# KiCad board cell-sim.kicad_pcb (continued)
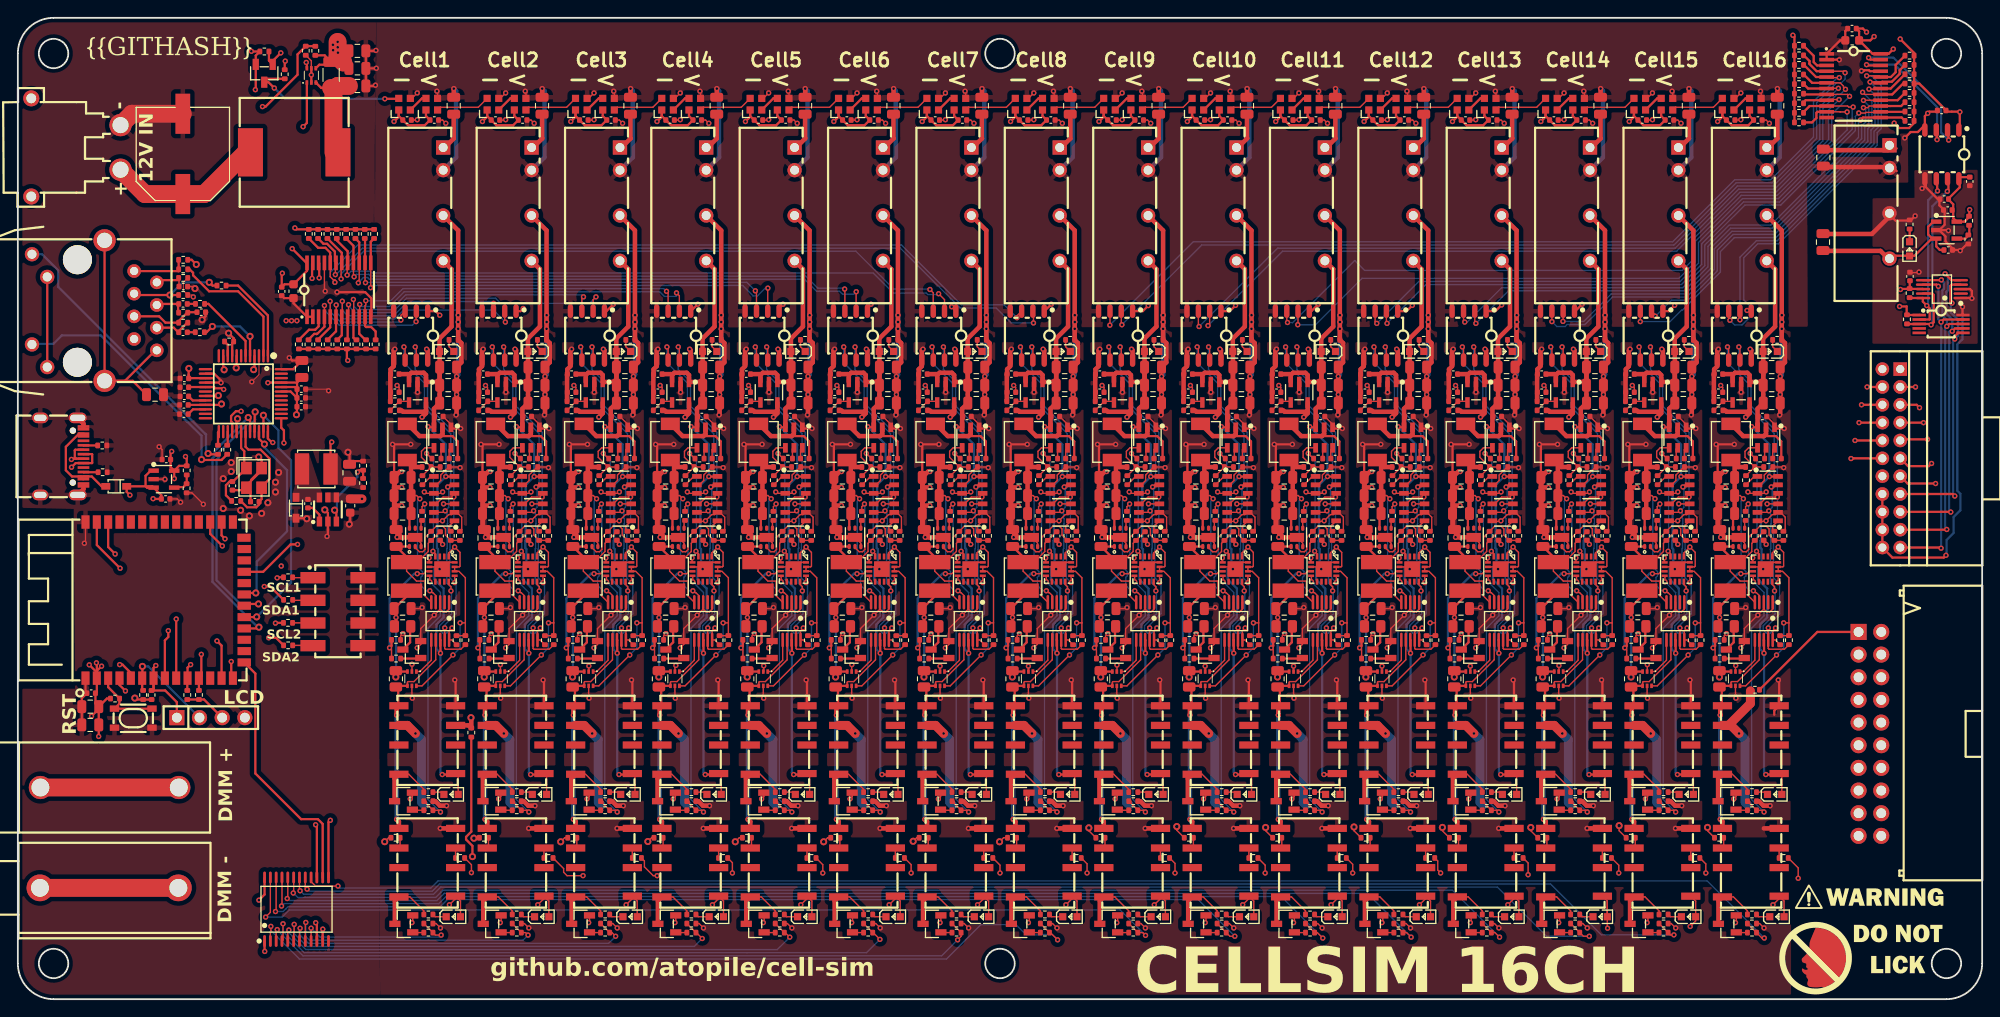
[diagram p0: board, top side]
## Nets (continued)
cell13.dmm_relay-gnd: R393.1 U198.3
cell13.dmm_relay-vcc: R392.1 U198.6
cell13.dmm_relay.fet-gate: Q38.1 R383.2
cell13.dmm_relay.indicator_led.resistor-cathode: LED40.1 R382.1
cell13.dmm_relay.relay-gnd: Q38.3 R382.2 U198.8
cell13.gpio-int: U199.11
cell13.gpio-p0: U199.2
cell13.gpio-p1: U199.3
cell13.gpio-p4: R385.1 R386.1 U199.7
cell13.gpio-p6: U199.9
cell13.gpio-p7: U199.10
cell13.internal_ldo.feedback_div-out: R390.2 R391.1 U203.4
cell13.isolated_converter.led.resistor-cathode: LED38.1 R369.1
cell13.ldo.ctrl_resistor-fb: R374.2 R375.2 R376.1 U195.2
cell13.ldo.dac-vout: R374.1 U194.1
cell13.ldo.regulator-dnc: U195.5
cell13.ldo.regulator-en: R377.2 U195.4
cell13.load_switch.fet-gate: Q39.1 R385.2
cell13.load_switch.fet-n: Q39.3 R387.2
cell13.output_relay.fet-gate: Q37.1 R380.2
cell13.output_relay.indicator_led.resistor-cathode: LED39.1 R379.1
cell13.output_relay.relay-gnd: Q37.3 R379.2 U197.8
cell13.voltage_led.ic-vcc: U201.4 U202.2
CELL13_3V3_VCC: C248.1 R388.2 R389.2 R390.1 U192.3 U194.3 U196.6 U199.1 U199.14 U199.15 U200.8 U203.5
CELL13_5V_VCC: C234.1 C235.1 C236.1 C237.1 C247.1 LED38.2 LED39.2 U190.6 U191.8 U192.6 U193.3 U197.1 U203.1 U203.3
CELL13_BUCK_ENABLE: R373.1 U199.4
CELL13_BUCK_POWER_OUT_VCC: C238.1 C239.1 C240.1 L27.2 R371.1 U191.4 U195.6
CELL13_CURRENT_SENSE_OUTPUT: U191.6 U196.1
CELL13_CURRENT_SENSE_POWER_OUT_VCC: R378.2 U191.7 U196.4 U197.5 U198.5
CELL13_DMM_RELAY_CONTROL: R383.1 R384.1 U16.19
CELL13_FILTER_POWER_OUT_VCC: C244.1 C250.2 C251.2 C252.2 C253.2 C254.2 C255.2 C256.2 C258.2 C259.2 C260.2 C263.2 C264.2 L28.2 Q40.2 Q42.2 R378.1 R387.1 R394.2 R397.2 R401.2 R406.2 R411.2 R416.2 U196.3 U204.4 U205.1 U205.3 U206.2 U207.1 U208.2 U208.6 U209.3 U209.7 U210.2 U210.5 U211.4 U212.4 U213.6 U213.16 U213.17 U214.5 U217.2
CELL13_I2C_SCL: R389.1 U191.10 U192.5 U194.5 U199.12 U200.6
CELL13_I2C_SDA: R388.1 U191.9 U192.4 U194.4 U199.13 U200.7
CELL13_LDO_ENABLE: R377.1 U199.5
CELL13_LDO_POWER_OUT_VCC: C242.1 C243.1 L28.1 R375.1 U191.5 U195.1
CELL13_OUTPUT_RELAY_CONTROL: R380.1 R381.1 U199.8
cell14-gnd: U211.3
cell14-led_data: U215.2 U230.4
cell14-vcc: U211.6 U246.4
cell14.adc-alert_slash_rdy: U205.2
cell14.buck.ctrl_resistor-vfb: R395.2 R396.2 R397.1 U207.4
cell14.buck.dac-vout: R395.1 U206.1
cell14.buck.regulator-en: R398.2 U207.5
cell14.buck.regulator-sw: C257.2 L29.1 U207.2
cell14.buck.regulator-vbst: C257.1 U207.6
cell14.dmm_relay-gnd: R418.1 U212.3
cell14.dmm_relay-vcc: R417.1 U212.6
cell14.dmm_relay.fet-gate: Q41.1 R408.2
cell14.dmm_relay.indicator_led.resistor-cathode: LED43.1 R407.1
cell14.dmm_relay.relay-gnd: Q41.3 R407.2 U212.8
cell14.gpio-int: U213.11
cell14.gpio-p0: U213.2
cell14.gpio-p1: U213.3
cell14.gpio-p4: R410.1 R411.1 U213.7
cell14.gpio-p6: U213.9
cell14.gpio-p7: U213.10
cell14.internal_ldo.feedback_div-out: R415.2 R416.1 U217.4
cell14.isolated_converter.led.resistor-cathode: LED41.1 R394.1
cell14.ldo.ctrl_resistor-fb: R399.2 R400.2 R401.1 U209.2
cell14.ldo.dac-vout: R399.1 U208.1
cell14.ldo.regulator-dnc: U209.5
cell14.ldo.regulator-en: R402.2 U209.4
cell14.load_switch.fet-gate: Q42.1 R410.2
cell14.load_switch.fet-n: Q42.3 R412.2
cell14.output_relay.fet-gate: Q40.1 R405.2
cell14.output_relay.indicator_led.resistor-cathode: LED42.1 R404.1
cell14.output_relay.relay-gnd: Q40.3 R404.2 U211.8
cell14.voltage_led.ic-vcc: U215.4 U216.2
CELL14_3V3_VCC: C264.1 R413.2 R414.2 R415.1 U206.3 U208.3 U210.6 U213.1 U213.14 U213.15 U214.8 U217.5
CELL14_5V_VCC: C250.1 C251.1 C252.1 C253.1 C263.1 LED41.2 LED42.2 U204.6 U205.8 U206.6 U207.3 U211.1 U217.1 U217.3
CELL14_BUCK_ENABLE: R398.1 U213.4
CELL14_BUCK_POWER_OUT_VCC: C254.1 C255.1 C256.1 L29.2 R396.1 U205.4 U209.6
CELL14_CURRENT_SENSE_OUTPUT: U205.6 U210.1
CELL14_CURRENT_SENSE_POWER_OUT_VCC: R403.2 U205.7 U210.4 U211.5 U212.5
CELL14_DMM_RELAY_CONTROL: R408.1 R409.1 U16.18
CELL14_FILTER_POWER_OUT_VCC: C260.1 C266.2 C267.2 C268.2 C269.2 C270.2 C271.2 C272.2 C274.2 C275.2 C276.2 C279.2 C280.2 L30.2 Q43.2 Q45.2 R403.1 R412.1 R419.2 R422.2 R426.2 R431.2 R436.2 R441.2 U210.3 U218.4 U219.1 U219.3 U220.2 U221.1 U222.2 U222.6 U223.3 U223.7 U224.2 U224.5 U225.4 U226.4 U227.6 U227.16 U227.17 U228.5 U231.2
CELL14_I2C_SCL: R414.1 U205.10 U206.5 U208.5 U213.12 U214.6
CELL14_I2C_SDA: R413.1 U205.9 U206.4 U208.4 U213.13 U214.7
CELL14_LDO_ENABLE: R402.1 U213.5
CELL14_LDO_POWER_OUT_VCC: C258.1 C259.1 L30.1 R400.1 U205.5 U209.1
CELL14_OUTPUT_RELAY_CONTROL: R405.1 R406.1 U213.8
cell15-gnd: U225.3
cell15-led_data: U229.2 U244.4
cell15-vcc: U225.6 U246.3
cell15.adc-alert_slash_rdy: U219.2
cell15.buck.ctrl_resistor-vfb: R420.2 R421.2 R422.1 U221.4
cell15.buck.dac-vout: R420.1 U220.1
cell15.buck.regulator-en: R423.2 U221.5
cell15.buck.regulator-sw: C273.2 L31.1 U221.2
cell15.buck.regulator-vbst: C273.1 U221.6
cell15.dmm_relay-gnd: R443.1 U226.3
cell15.dmm_relay-vcc: R442.1 U226.6
cell15.dmm_relay.fet-gate: Q44.1 R433.2
cell15.dmm_relay.indicator_led.resistor-cathode: LED46.1 R432.1
cell15.dmm_relay.relay-gnd: Q44.3 R432.2 U226.8
cell15.gpio-int: U227.11
cell15.gpio-p0: U227.2
cell15.gpio-p1: U227.3
cell15.gpio-p4: R435.1 R436.1 U227.7
cell15.gpio-p6: U227.9
cell15.gpio-p7: U227.10
cell15.internal_ldo.feedback_div-out: R440.2 R441.1 U231.4
cell15.isolated_converter.led.resistor-cathode: LED44.1 R419.1
cell15.ldo.ctrl_resistor-fb: R424.2 R425.2 R426.1 U223.2
cell15.ldo.dac-vout: R424.1 U222.1
cell15.ldo.regulator-dnc: U223.5
cell15.ldo.regulator-en: R427.2 U223.4
cell15.load_switch.fet-gate: Q45.1 R435.2
cell15.load_switch.fet-n: Q45.3 R437.2
cell15.output_relay.fet-gate: Q43.1 R430.2
cell15.output_relay.indicator_led.resistor-cathode: LED45.1 R429.1
cell15.output_relay.relay-gnd: Q43.3 R429.2 U225.8
cell15.voltage_led.ic-vcc: U229.4 U230.2
CELL15_3V3_VCC: C280.1 R438.2 R439.2 R440.1 U220.3 U222.3 U224.6 U227.1 U227.14 U227.15 U228.8 U231.5
CELL15_5V_VCC: C266.1 C267.1 C268.1 C269.1 C279.1 LED44.2 LED45.2 U218.6 U219.8 U220.6 U221.3 U225.1 U231.1 U231.3
CELL15_BUCK_ENABLE: R423.1 U227.4
CELL15_BUCK_POWER_OUT_VCC: C270.1 C271.1 C272.1 L31.2 R421.1 U219.4 U223.6
CELL15_CURRENT_SENSE_OUTPUT: U219.6 U224.1
CELL15_CURRENT_SENSE_POWER_OUT_VCC: R428.2 U219.7 U224.4 U225.5 U226.5
CELL15_DMM_RELAY_CONTROL: R433.1 R434.1 U16.17
CELL15_FILTER_POWER_OUT_VCC: C276.1 C282.2 C283.2 C284.2 C285.2 C286.2 C287.2 C288.2 C290.2 C291.2 C292.2 C295.2 C296.2 L32.2 Q46.2 Q48.2 R428.1 R437.1 R444.2 R447.2 R451.2 R456.2 R461.2 R466.2 U224.3 U232.4 U233.1 U233.3 U234.2 U235.1 U236.2 U236.6 U237.3 U237.7 U238.2 U238.5 U239.4 U240.4 U241.6 U241.16 U241.17 U242.5 U245.2
CELL15_I2C_SCL: R439.1 U219.10 U220.5 U222.5 U227.12 U228.6
CELL15_I2C_SDA: R438.1 U219.9 U220.4 U222.4 U227.13 U228.7
CELL15_LDO_ENABLE: R427.1 U227.5
CELL15_LDO_POWER_OUT_VCC: C274.1 C275.1 L32.1 R425.1 U219.5 U223.1
CELL15_OUTPUT_RELAY_CONTROL: R430.1 R431.1 U227.8
cell16-gnd: U239.3
cell16-led_data: U243.2
cell16-vcc: R469.1 U239.6 U246.2
cell16.adc-alert_slash_rdy: U233.2
cell16.buck.ctrl_resistor-vfb: R445.2 R446.2 R447.1 U235.4
cell16.buck.dac-vout: R445.1 U234.1
cell16.buck.regulator-en: R448.2 U235.5
cell16.buck.regulator-sw: C289.2 L33.1 U235.2
cell16.buck.regulator-vbst: C289.1 U235.6
cell16.dmm_relay-gnd: R468.1 U240.3
cell16.dmm_relay-vcc: R467.1 U240.6
cell16.dmm_relay.fet-gate: Q47.1 R458.2
cell16.dmm_relay.indicator_led.resistor-cathode: LED49.1 R457.1
cell16.dmm_relay.relay-gnd: Q47.3 R457.2 U240.8
cell16.gpio-int: U241.11
cell16.gpio-p0: U241.2
cell16.gpio-p1: U241.3
cell16.gpio-p4: R460.1 R461.1 U241.7
cell16.gpio-p6: U241.9
cell16.gpio-p7: U241.10
cell16.internal_ldo.feedback_div-out: R465.2 R466.1 U245.4
cell16.isolated_converter.led.resistor-cathode: LED47.1 R444.1
cell16.ldo.ctrl_resistor-fb: R449.2 R450.2 R451.1 U237.2
cell16.ldo.dac-vout: R449.1 U236.1
cell16.ldo.regulator-dnc: U237.5
cell16.ldo.regulator-en: R452.2 U237.4
cell16.load_switch.fet-gate: Q48.1 R460.2
cell16.load_switch.fet-n: Q48.3 R462.2
cell16.output_relay.fet-gate: Q46.1 R455.2
cell16.output_relay.indicator_led.resistor-cathode: LED48.1 R454.1
cell16.output_relay.relay-gnd: Q46.3 R454.2 U239.8
cell16.voltage_led.ic-vcc: U243.4 U244.2
CELL16_3V3_VCC: C296.1 R463.2 R464.2 R465.1 U234.3 U236.3 U238.6 U241.1 U241.14 U241.15 U242.8 U245.5
CELL16_5V_VCC: C282.1 C283.1 C284.1 C285.1 C295.1 LED47.2 LED48.2 U232.6 U233.8 U234.6 U235.3 U239.1 U245.1 U245.3
CELL16_BUCK_ENABLE: R448.1 U241.4
CELL16_BUCK_POWER_OUT_VCC: C286.1 C287.1 C288.1 L33.2 R446.1 U233.4 U237.6
CELL16_CURRENT_SENSE_OUTPUT: U233.6 U238.1
CELL16_CURRENT_SENSE_POWER_OUT_VCC: R453.2 U233.7 U238.4 U239.5 U240.5
CELL16_DMM_RELAY_CONTROL: R458.1 R459.1 U16.16
CELL16_FILTER_POWER_OUT_VCC: C292.1 L34.2 R453.1 R462.1 U238.3
CELL16_I2C_SCL: R464.1 U233.10 U234.5 U236.5 U241.12 U242.6
CELL16_I2C_SDA: R463.1 U233.9 U234.4 U236.4 U241.13 U242.7
CELL16_LDO_ENABLE: R452.1 U241.5
CELL16_LDO_POWER_OUT_VCC: C290.1 C291.1 L34.1 R450.1 U233.5 U237.1
CELL16_OUTPUT_RELAY_CONTROL: R455.1 R456.1 U241.8
cgnd: C4.1 U5.8 U5.13 U5.14
dm: U1.13 U3.A7 U3.B7
DMM_MUX_ENABLE: U1.5 U16.15
DMM_MUX_S0: U1.39 U16.10
DMM_MUX_S1: U1.38 U16.11
DMM_MUX_S2: U1.15 U16.14
DMM_MUX_S3: U1.4 U16.13
DMM_OUT_GND: R93.2 R118.2 R143.2 R168.2 R193.2 R218.2 R243.2 R268.2 R293.2 R318.2 R343.2 R368.2 R393.2 R418.2 R443.2 R468.2 U9.1 U9.2
DMM_OUT_VCC: R92.2 R117.2 R142.2 R167.2 R192.2 R217.2 R242.2 R267.2 R292.2 R317.2 R342.2 R367.2 R392.2 R417.2 R442.2 R467.2 U8.1 U8.2
dp: U1.14 U3.A6 U3.B6
dupled: U4.26
ethernet.rx_minus_damping-vcc: C6.1 R11.2
ethernet.rx_plus_damping-vcc: C7.1 R12.2
ETHERNET_INTERRUPT: U1.28 U4.36
ETHERNET_RESET: U1.29 U4.37
exres1: R15.1 U4.10
idc_vsh.connector-gnd: R470.2 U246.19
idc_vsh.connector-vcc: R469.2 U246.1
INPUT_CURRENT_SENSOR_OUTPUT: U1.23 U7.1
input_filter.C1-vcc: C20.1 J1.2 L1.1
input_filter.L1-vcc: C21.1 L1.2 R17.1 U7.3
io0: U1.27
io8: U1.12
io9: U1.17
io14: U1.22
io37: U1.30
io38: U1.31
io39: U1.32
io40: U1.33
io41: U1.34
io42: U1.35
io45: U1.26
io46: U1.16
io47: U1.24
io48: U1.25
ldac_hash: U20.4
ldo3v3.feedback_div-out: R60.2 R61.1 U14.4
LED_DATA_3V3: R62.2 U1.8 U15.2
LED_DATA_5V: R63.2 U15.3 U34.4
linkled: R4.1 U4.25
lled_minus: R4.2 U5.9
micro.ic-en: R1.2 U1.3 U2.1 U2.2
micro.ic-vcc: R18.2 R19.1 U1.9
MICRO_I2C_1_SCL: R55.1 R471.1 U1.6 U10.2 U11.22
MICRO_I2C_1_SDA: R54.1 R472.1 U1.7 U10.1 U11.23
MICRO_I2C_2_SCL: R57.1 R473.1 U1.11 U12.22 U18.3
MICRO_I2C_2_SDA: R56.1 R474.1 U1.10 U12.23 U18.2
MICRO_SPI_2_CS: U1.18 U4.32
MICRO_SPI_2_MISO: U1.21 U4.34
MICRO_SPI_2_MOSI: U1.19 U4.35
MICRO_SPI_2_SCK: U1.20 U4.33
mux_1.ic-reset_: R20.1 U11.3
mux_1.ic-scl: R21.2 U11.5 U32.3
mux_1.ic-scl-1: R23.2 U11.7 U46.3
mux_1.ic-scl-2: R25.2 U11.9 U60.3
mux_1.ic-scl-3: R27.2 U11.11 U74.3
mux_1.ic-scl-4: R29.2 U11.14 U88.3
mux_1.ic-scl-5: R31.2 U11.16 U102.3
mux_1.ic-scl-6: R33.2 U11.18 U116.3
mux_1.ic-scl-7: R35.2 U11.20 U130.3
mux_1.ic-sda: R22.2 U11.4 U32.2
mux_1.ic-sda-1: R24.2 U11.6 U46.2
mux_1.ic-sda-2: R26.2 U11.8 U60.2
mux_1.ic-sda-3: R28.2 U11.10 U74.2
mux_1.ic-sda-4: R30.2 U11.13 U88.2
mux_1.ic-sda-5: R32.2 U11.15 U102.2
mux_1.ic-sda-6: R34.2 U11.17 U116.2
mux_1.ic-sda-7: R36.2 U11.19 U130.2
mux_2.ic-reset_: R37.1 U12.3
mux_2.ic-scl: R38.2 U12.5 U144.3
mux_2.ic-scl-1: R40.2 U12.7 U158.3
mux_2.ic-scl-2: R42.2 U12.9 U172.3
mux_2.ic-scl-3: R44.2 U12.11 U186.3
mux_2.ic-scl-4: R46.2 U12.14 U200.3
mux_2.ic-scl-5: R48.2 U12.16 U214.3
mux_2.ic-scl-6: R50.2 U12.18 U228.3
mux_2.ic-scl-7: R52.2 U12.20 U242.3
mux_2.ic-sda: R39.2 U12.4 U144.2
mux_2.ic-sda-1: R41.2 U12.6 U158.2
mux_2.ic-sda-2: R43.2 U12.8 U172.2
mux_2.ic-sda-3: R45.2 U12.10 U186.2
mux_2.ic-sda-4: R47.2 U12.13 U200.2
mux_2.ic-sda-5: R49.2 U12.15 U214.2
mux_2.ic-sda-6: R51.2 U12.17 U228.2
mux_2.ic-sda-7: R53.2 U12.19 U242.2
nc: U4.12
p14: U247.14
p20: U246.20
POWER_3V3_VCC: C1.1 C2.1 C3.1 C11.1 C12.1 C13.1 C14.1 C15.1 C16.1 C17.1 C24.1 C25.1 C26.1 C27.1 C32.1 C40.1 R1.1 R8.1 R9.1 R10.1 R20.2 R21.1 R22.1 R23.1 R24.1 R25.1 R26.1 R27.1 R28.1 R29.1 R30.1 R31.1 R32.1 R33.1 R34.1 R35.1 R36.1 R37.2 R38.1 R39.1 R40.1 R41.1 R42.1 R43.1 R44.1 R45.1 R46.1 R47.1 R48.1 R49.1 R50.1 R51.1 R52.1 R53.1 R54.2 R55.2 R56.2 R57.2 R60.1 R62.1 U1.2 U4.4 U4.8 U4.11 U4.15 U4.17 U4.21 U4.28 U4.43 U4.44 U4.45 U5.10 U5.12 U7.6 U10.3 U11.24 U12.24 U14.5 U15.1 U16.1 U16.24 U18.1 U32.1 U46.1 U60.1 U74.1 U88.1 U102.1 U116.1 U130.1 U144.1 U158.1 U172.1 U186.1 U200.1 U214.1 U228.1 U242.1
POWER_5V_VCC: C29.1 C31.1 C53.1 C54.1 C69.1 C70.1 C85.1 C86.1 C101.1 C102.1 C117.1 C118.1 C133.1 C134.1 C149.1 C150.1 C165.1 C166.1 C181.1 C182.1 C197.1 C198.1 C213.1 C214.1 C229.1 C230.1 C245.1 C246.1 C261.1 C262.1 C277.1 C278.1 C293.1 C294.1 DS2.1 L2.2 LED4.2 LED7.2 LED10.2 LED13.2 LED16.2 LED19.2 LED22.2 LED25.2 LED28.2 LED31.2 LED34.2 LED37.2 LED40.2 LED43.2 LED46.2 LED49.2 R58.1 R63.1 U14.1 U14.3 U30.1 U33.1 U34.1 U44.1 U47.1 U48.1 U58.1 U61.1 U62.1 U72.1 U75.1 U76.1 U86.1 U89.1 U90.1 U100.1 U103.1 U104.1 U114.1 U117.1 U118.1 U128.1 U131.1 U132.1 U142.1 U145.1 U146.1 U156.1 U159.1 U160.1 U170.1 U173.1 U174.1 U184.1 U187.1 U188.1 U198.1 U201.1 U202.1 U212.1 U215.1 U216.1 U226.1 U229.1 U230.1 U240.1 U243.1 U244.1
POWER_IN_GND: C1.2 C2.2 C3.2 C4.2 C5.2 C8.2 C9.2 C10.2 C11.2 C12.2 C13.2 C14.2 C15.2 C16.2 C17.2 C18.2 C19.2 C20.2 C21.2 C22.2 C23.2 C24.2 C25.2 C26.2 C27.2 C28.2 C29.2 C31.2 C32.2 C33.2 C40.2 C41.2 C53.2 C54.2 C57.2 C69.2 C70.2 C73.2 C85.2 C86.2 C89.2 C101.2 C102.2 C105.2 C117.2 C118.2 C121.2 C133.2 C134.2 C137.2 C149.2 C150.2 C153.2 C165.2 C166.2 C169.2 C181.2 C182.2 C185.2 C197.2 C198.2 C201.2 C213.2 C214.2 C217.2 C229.2 C230.2 C233.2 C245.2 C246.2 C249.2 C261.2 C262.2 C265.2 C277.2 C278.2 C281.2 C293.2 C294.2 DS1.2 J1.1 Q2.2 Q5.2 Q8.2 Q11.2 Q14.2 Q17.2 Q20.2 Q23.2 Q26.2 Q29.2 Q32.2 Q35.2 Q38.2 Q41.2 Q44.2 Q47.2 R2.2 R3.2 R15.2 R19.2 R59.2 R61.2 R84.2 R109.2 R134.2 R159.2 R184.2 R209.2 R234.2 R259.2 R284.2 R309.2 R334.2 R359.2 R384.2 R409.2 R434.2 R459.2 U1.1 U1.40 U2.3 U2.4 U3.1 U3.2 U3.3 U3.4 U3.A1 U3.A12 U3.B1 U3.B12 U4.3 U4.9 U4.14 U4.16 U4.19 U4.29 U4.48 U6.2 U6.4 U7.2 U7.5 U10.4 U11.1 U11.2 U11.12 U11.21 U12.1 U12.2 U12.12 U12.21 U13.2 U14.2 U16.12 U17.2 U18.4 U22.2 U32.4 U33.3 U34.3 U36.2 U46.4 U47.3 U48.3 U50.2 U60.4 U61.3 U62.3 U64.2 U74.4 U75.3 U76.3 U78.2 U88.4 U89.3 U90.3 U92.2 U102.4 U103.3 U104.3 U106.2 U116.4 U117.3 U118.3 U120.2 U130.4 U131.3 U132.3 U134.2 U144.4 U145.3 U146.3 U148.2 U158.4 U159.3 U160.3 U162.2 U172.4 U173.3 U174.3 U176.2 U186.4 U187.3 U188.3 U190.2 U200.4 U201.3 U202.3 U204.2 U214.4 U215.3 U216.3 U218.2 U228.4 U229.3 U230.3 U232.2 U242.4 U243.3 U244.3 U248.2 U248.4 U248.6 U248.8
POWER_IN_VCC: C22.1 C23.1 C28.1 C33.1 C41.1 C57.1 C73.1 C89.1 C105.1 C121.1 C137.1 C153.1 C169.1 C185.1 C201.1 C217.1 C233.1 C249.1 C265.1 C281.1 R17.2 R18.1 U7.4 U13.4 U13.5 U17.1 U22.1 U36.1 U50.1 U64.1 U78.1 U92.1 U106.1 U120.1 U134.1 U148.1 U162.1 U176.1 U190.1 U204.1 U218.1 U232.1
rct: C8.1 R13.2 R14.2 U5.5
rd_minus: C6.2 R13.1 U5.6
rd_plus: C7.2 R14.1 U5.4
rdy_slash_bsy_hash: U20.5
rled_minus: R5.2 U5.11
rxd0: U1.36
rxn: R11.1 U4.5
rxp: R12.1 U4.6
spdled: U4.24
sub1: U3.A8
sub2: U3.B8
tct: C5.1 R10.2 U5.2
td_minus: R7.2 R9.2 U5.3
td_plus: R6.2 R8.2 U5.1
thermistor-gnd: C34.2 C35.2 C36.2 C37.2 C38.2 C39.2 R64.2 R68.2 U17.4 U18.5 U19.1 U19.3 U20.10 U21.2 U247.16 U247.18 U247.20 U247.22
thermistor-scl: R66.1 U18.6 U19.10 U20.2
thermistor-sda: R65.1 U18.7 U19.9 U20.3
thermistor-vcc: C34.1 C35.1 LED1.2 U17.6 U21.1 U21.3
thermistor-vcc-1: C36.1 C37.1 C38.1 C39.1 R65.2 R66.2 R67.1 U18.8 U19.8 U20.1 U21.5
thermistor.adc-alert_slash_rdy: U19.2
thermistor.isolated_converter.led.resistor-cathode: LED1.1 R64.1
thermistor.ldo.feedback_div-out: R67.2 R68.1 U21.4
thermistor_1: U19.4 U20.6 U247.15
thermistor_2: U19.5 U20.7 U247.17
thermistor_3: U19.6 U20.8 U247.19
thermistor_4: U19.7 U20.9 U247.21
tocap: C10.1 U4.20
txd0: U1.37
txn: R7.1 U4.1
txp: R6.1 U4.2
usbc-vcc: DS2.2 U3.A4 U3.A9 U3.B4 U3.B9
vbg: U4.18
xi_slash_clkin: C18.1 R16.1 U4.30 U6.1
xo: C19.1 R16.2 U4.31 U6.3

Pads without a net: J1 3 4; U4 7 13 23 38 39 40 41 42 46 47; U5 7; U29 2 7; U30 2 7; U43 2 7; U44 2 7; U57 2 7; U58 2 7; U71 2 7; U72 2 7; U85 2 7; U86 2 7; U99 2 7; U100 2 7; U113 2 7; U114 2 7; U127 2 7; U128 2 7; U141 2 7; U142 2 7; U155 2 7; U156 2 7; U169 2 7; U170 2 7; U183 2 7; U184 2 7; U197 2 7; U198 2 7; U211 2 7; U212 2 7; U225 2 7; U226 2 7; U239 2 7; U240 2 7

## Via types
v1: diameter 0.8, hole 0.4, Top to Bottom, 79 vias
v2: diameter 0.6, hole 0.3, Top to Bottom, 1449 vias

## Routing (per net, layer and track width the routed paths; a pad name or vN(x,y) marks a point on that pad's centre or on a via; arc(x,y) is an arc through that point)
_1: length 2.3
  Top w0.15: U248.1 30.81,47.24 R471.2
_1v2o: length 2.1
  Top w0.25: C9.1 19.62,66.11 U4.22
_3: length 2.3
  Top w0.15: R472.2 30.84,44.7 U248.3
_5: length 2.3
  Top w0.15: U248.5 33.03,42.18 R473.2
_7: length 2.3
  Top w0.15: R474.2 33.02,39.66 U248.7
actled: length 1.5
  Top w0.25: U4.27 23.51,62.15 R5.1
buck.feedback_div-out: length 8.3
  Top w0.25: U13.3 35.67,54.61 v1(35.48,54.81) ; R58.2 R59.1 38.25,59.29 v2(38.04,59.08)
  Bottom w0.25: v2(38.04,59.08) 38.04,58.54 35.73,56.23 35.73,55.07 v1(35.48,54.81)
cb: length 2.4
  Top w0.25: U13.1 33.78,54.3 33.01,55.07 C30.1
cc1: length 1.6
  Top w0.25: U3.A5 7.37,62.07 R2.1
cc2: length 1.6
  Top w0.25: U3.B5 7.37,59.07 R3.1
cell1-gnd: length 234.6
  Top w0.25: v2(214.79,57.8) 211.65,57.8 U247.13
  Top w0.5: v1(50.75,31.55) 50.78,31.51 R470.1 50.49,30.69 U29.3
  In1.Cu w0.25: U246.18 207.41,19.55 205.5,19.55 205.6,19.65
  In1.Cu w0.5: v1(50.75,31.55) 50.33,31.13 44.53,31.13 43.55,30.14 43.55,29.42 46.42,26.55 53.15,26.55 54.6,25.1 54.6,20.7 63.94,11.35 195.05,11.35 203.25,19.55 205.5,19.55 205.5,19.55
  In2.Cu w0.25: v2(214.79,57.8) 214.61,57.62 214.61,48.74 212.62,46.76 212.62,24.77 U246.18
cell1-led_data: length 6.1
  Top w0.15: U48.4 51.56,99.97 47.31,99.97 U33.2
cell1-vcc: length 229.2
  Top w0.25: U247.12 205.34,60.62 v2(205.31,60.6)
  Top w1: v2(44.53,29.78) 43.62,30.69 U29.6
  In1.Cu w0.5: 44.57,29.78 47.1,27.25 54.07,27.25 69.27,12.05 194.73,12.05 203.52,20.84 U246.17
  In1.Cu w1: v2(44.53,29.78) 44.57,29.78
  In2.Cu w0.25: v2(205.31,60.6) 205.49,60.42 205.49,46.37 202.69,43.57 202.69,24.32 U246.17
  Bottom w1: v2(44.53,29.78) 45.21,29.11 45.21,22.08 45.53,21.75
cell1.buck.ctrl_resistor-vfb: length 6.2
  Top w0.15: R71.2 45.2,60.73 45.2,61.41 45.59,61.8 U25.4 ; R71.2 46.28,59.65 R70.2 ; R71.2 R72.1
cell1.buck.dac-vout: length 1.7
  Top w0.15: U24.1 46.25,58.6 R70.1
cell1.buck.regulator-en: length 1.3
  Top w0.15: R73.2 47.4,61.64 U25.5
cell1.buck.regulator-sw: length 9.5
  Top w0.25: 47.32,63.12 48.66,63.12 49.26,62.52 C49.2
  Top w0.5: L3.1 44.99,63.12 47.32,63.12 47.56,63.35 U25.2
cell1.buck.regulator-vbst: length 1.3
  Top w0.15: U25.6 48.3,61.6 C49.1
cell1.dmm_relay-gnd: length 1.1
  Top w0.15: R93.1 49.02,16.94 U30.3
cell1.dmm_relay-vcc: length 1.2
  Top w0.15: R92.1 42.81,17.08 U30.6
cell1.dmm_relay.fet-gate: length 1.3
  Top w0.15: R83.2 44.26,7.46 Q2.1
cell1.dmm_relay.indicator_led.resistor-cathode: length 1.6
  Top w0.15: LED4.1 46.74,9.24 R82.1
cell1.dmm_relay.relay-gnd: length 7.1
  Top w0.15: U30.8 43.9,11.46 45.47,9.9 R82.2
  Top w0.5: U30.8 42.23,11.01 Q2.3
cell1.gpio-p4: length 13.5
  Top w0.15: v2(41.63,39.38) 41.85,39.16 R85.1 ; v2(44.73,47.69) 45.44,47.69 45.71,47.96 U31.7
  Top w0.25: v2(41.63,39.38) 41.85,39.6 R86.1
  Bottom w0.25: v2(44.73,47.69) 44.4,47.69 41.63,44.92 v2(41.63,39.38)
cell1.internal_ldo.feedback_div-out: length 2.6
  Top w0.15: U35.4 43.68,67.02 R91.1 42.73,67.02 R90.2
cell1.isolated_converter.led.resistor-cathode: length 1.5
  Top w0.15: LED2.1 48.3,73.13 R69.1
cell1.ldo.ctrl_resistor-fb: length 8.5
  Top w0.15: R74.2 47.89,52.02 47.89,52.71 47.56,53.05 46.89,53.05 R75.2 45.61,51.77 45.61,50.42 45.35,50.15 44.96,50.15 44.51,50.61 U27.2 44.51,50.56 ; 49.3,51.43 48.28,51.43
cell1.ldo.dac-vout: length 1.4
  Top w0.15: 48.28,52.44 48.28,53 U26.1
cell1.ldo.regulator-en: length 0.9
  Top w0.15: R77.2 45.16,53.56 U27.4
cell1.load_switch.fet-gate: length 2.3
  Top w0.25: Q3.1 45.06,38.18 R85.2
cell1.load_switch.fet-n: length 3
  Top w0.25: Q3.3 43.93,40 43.93,41.72 R87.2
cell1.output_relay.fet-gate: length 1.6
  Top w0.15: Q1.1 44.25,21.18 45.72,21.18
cell1.output_relay.indicator_led.resistor-cathode: length 1.3
  Top w0.15: R79.1 47.47,23.21 LED3.1
cell1.output_relay.relay-gnd: length 7
  Top w0.15: R79.2 45.47,23.53 43.79,25.21 U29.8
  Top w0.5: U29.8 42.19,24.72 Q1.3
cell1.voltage_led.ic-vcc: length 2.3
  Top w0.25: U34.2 45.26,100.97 U33.4
CELL1_3V3_VCC: length 34.1
  Top w0.15: U31.1 48.26,50.03 v2(48.92,50.69) 49.53,50.08 49.53,48.54 49.44,48.46 U31.15 U31.14 49.4,47.96 50.12,47.24 50.12,42.18 ; v2(47.68,55.52) 47.68,55.52 U26.3 ; v2(45.53,56.86) 45.68,56.7 U24.3 47.42,56.7 v2(47.57,56.86) ; 50.12,42.18 v2(49.53,42.18) ; 50.12,42.18 R88.2 50.11,40.74 R89.2 ; v2(42.48,68.79) 42.7,68.57 C56.1 ; U28.6 45.27,35.12 v2(48.73,38.58)
  Top w0.5: v2(45.78,72.86) 45.9,72.74 U32.8 ; 45.71,66 45.71,65.68 v2(45.27,65.24) ; 45.71,66 45.56,65.84 43.14,65.84 42.99,66 ; 45.71,66 U35.5
  Bottom w0.15: v2(49.53,42.18) 49.53,39.38 v2(48.73,38.58)
CELL1_5V_VCC: length 77.2
  Top w0.15: 47.24,70.85 C42.1 ; LED3.2 49.32,25 U29.1
  Top w0.25: v2(47.93,58.58) 48.88,58.58 U24.6 ; v2(47.53,25.18) 48.92,25.18 U29.1 ; v2(47.33,38.78) 47.33,40.24 U23.8 ; C45.1 46.61,65.25 U25.3 46.01,64.1 v2(45.93,64.18)
  Top w0.5: U22.6 48.57,81.83 48.57,75.4 47.23,74.05 LED2.2 47.24,72.59 47.24,70.06 ; 47.24,70.06 47.24,68.83 C44.1 46.89,69.18 U35.1 45.71,69.96 45.46,70.21 44.07,70.21 43.81,69.96 ; 47.24,70.06 C43.1 46.61,66.19 U25.3 ; U35.3 43.81,69.96 ; 43.81,69.96 43.71,70.06 42.96,70.06
  Bottom w0.25: v2(45.93,64.18) 47.93,62.18 v2(47.93,58.58) 46.98,57.63 46.98,51.43 46.93,51.38 46.93,50.58 47.06,50.44 47.06,48.85 46.66,48.45 46.66,47.05 47.68,46.03 47.68,42.79 46.89,42 46.89,39.23 v2(47.33,38.78) 47.33,25.38 v2(47.53,25.18)
CELL1_BUCK_ENABLE: length 12.8
  Top w0.15: v2(45.78,61.17) 46.35,60.6 R73.1 ; v2(46.49,50.21) 46.76,49.94 U31.4
  Bottom w0.15: v2(45.78,61.17) 46.54,60.41 46.54,50.26 v2(46.49,50.21)
CELL1_BUCK_POWER_OUT_VCC: length 24.3
  Top w0.15: v2(46.14,45.78) 46.19,45.78 46.39,45.57 46.48,45.57 46.8,45.24 U23.4 ; v2(45.02,56.09) 44.66,56.45 C46.1
  Top w0.25: 44.19,58.63 C48.1 ; C47.1 43.86,54.25 U27.6
  Top w0.5: C47.1 44.04,60.01 L3.2 44.4,59.65 R71.1
  Bottom w0.15: v2(45.02,56.09) 44.76,55.84 44.76,48.35 44.85,48.27 44.97,48.27 45.31,47.93 45.31,47.45 45.13,47.28 45.13,46.38 45.74,45.78 v2(46.14,45.78)
CELL1_CURRENT_SENSE_OUTPUT: length 4.5
  Top w0.15: U23.6 46.3,37.99 45.03,36.72 U28.1
CELL1_CURRENT_SENSE_POWER_OUT_VCC: length 24.3
  Top w0.15: U28.4 43.63,35.52 43.71,35.6 44.36,35.6 46.8,38.04 U23.7
  Top w0.25: R78.2 42.47,35.12 U28.4 ; 42.35,35 42.6,34.75 42.6,32.89
  Top w0.5: U29.5 42.42,32.64 v2(42.42,31.84) ; U30.5 42.68,19.91 v2(42.42,20.16)
  Bottom w0.5: v2(42.42,20.16) v2(42.42,31.84)
CELL1_DMM_RELAY_CONTROL: length 19
  Top w0.15: R84.1 45.47,8.48 R83.1 46.76,7.18 v2(47.41,7.18) ; v2(32.85,7.95) 32.85,6.53 U16.9
  Bottom w0.15: v2(32.85,7.95) 33.84,6.96 47.19,6.96 v2(47.41,7.18)
CELL1_FILTER_POWER_OUT_VCC: length 134.6
  Top w0.15: v2(55.17,43.9) 55.05,43.78 C68.2 ; C61.2 58.41,64.44 U39.1 ; U45.6 57.16,48.46 U45.17 58.16,48.96 U45.16 58.3,48.96 57.55,48.21 v2(57.13,48.21) ; U42.5 54.03,33.78 v2(54.08,33.74) ; U41.3 55.06,51.11 U41.7 ; v2(53.85,22.45) 54.09,22.69 Q4.2 ; 52.27,55.33 52.04,55.1 C63.2 ; v2(54.63,39.38) 55.02,39.77 Q6.2 55.02,41.54 v2(56.53,43.05) 57.2,43.72 U37.3 57.2,43.73 57.53,43.4 57.87,43.4 58.2,43.73 U37.1 ; v2(52.38,51.78) 52.27,51.88 C67.2 52.27,58.25 C64.2 52.23,58.48 ; v2(59.43,59.58) 59.36,59.65 R97.2 58.16,59.65 57.26,58.75 57.26,58.14 56.77,57.65 U38.2 ; R101.2 59.61,52.65 59.61,54.03 59.07,54.57 U40.2 58.73,54.57 58.47,54.32 58.15,54.32 v2(57.46,53.62) 57.39,53.55 56.44,53.55 56.5,53.61 U40.6 ; C62.2 52.04,56.52 ; C58.2 v2(59.04,69.81) ; v2(54.05,37.5) 54.05,36.74 U42.2 ; R111.2 52.77,40.72 v2(53.03,40.98) ; C60.2 59.04,67.78 v2(59.04,67.78) ; 59.04,65.55 v2(58.98,65.49) ; v2(57.47,50.98) 57.2,51.25 57.2,51.44
  Top w0.25: U39.1 58.54,63.97 v2(59.49,63.97) ; 42.35,42.02 v2(42.35,42.78) 42.35,43.58 42.15,43.78 43.55,45.18 43.55,45.79 ; v1(42.33,36.11) 42.34,36.11 R78.1 42.44,36.72 U28.3 ; U43.4 58.93,35.69 v2(58.83,35.78) ; v2(53.9,62.19) v2(51.87,62.19) 52.04,62.02 C64.2
  Top w0.5: 59.21,75.91 R94.2 59.58,73.54 59.58,71.38 C58.2 ; 59.21,75.91 v2(59.22,75.91) ; 59.21,75.91 59.21,76.67 ; R106.2 56.66,22.19 57.17,21.68 v2(57.91,21.68) ; 59.21,76.67 59.21,86.17 U36.4 ; 59.21,76.67 v2(59.22,76.67) ; 52.04,56.52 52.04,57.36 v2(52.88,57.36) ; U44.4 v2(57.21,19.14) ; v2(59.04,69.81) v2(59.04,67.78) C59.2 59.04,65.55 ; U41.7 52.88,51.76 ; 52.88,51.76 52.04,52.61 C64.2 ; 52.88,51.76 52.39,51.76 v2(52.38,51.78) ; 52.27,55.33 v2(52.88,55.33) ; 52.23,58.48 52.23,58.67 52.69,59.14 v2(52.88,59.14) ; U49.2 v2(54.66,68.03) ; v2(52.12,72.86) 51.99,72.73 U46.5 51.99,70.95 51.64,70.6 C71.2 51.61,70.03 R116.2
  In1.Cu w0.15: 54.08,37.47 v2(54.05,37.5)
  In1.Cu w1: v2(54.08,33.74) 54.08,37.47
  In2.Cu w0.25: v2(54.08,33.74) 47.54,33.74 45.17,36.11 v1(42.33,36.11)